# KiCad board 8851_HW-U1-VCU118_REV2-0_071417.kicad_pcb (continued)
## Routing (per net, layer and track width the routed paths; a pad name or vN(x,y) marks a point on that pad's centre or on a via; arc(x,y) is an arc through that point) (continued)
  05_SIG2 w0.258: 151.54,62.23 150.92,62.85 150.32,62.85 150.12,62.65 150.12,61.23 150.68,60.67 150.68,60.04 150.44,59.8 146.79,59.8 146.26,60.33 144.35,60.33 143.46,61.22 143.46,61.42 143.68,61.64 143.68,61.83 143.48,62.02 143.29,62.02 143.07,61.81 142.87,61.81 142.68,62 142.68,62.19 142.9,62.41 142.9,62.61 142.7,62.8 142.51,62.8 142.29,62.58 142.1,62.58 141.9,62.78 141.9,62.97 142.12,63.19 142.12,63.39 141.92,63.58 141.73,63.58 141.51,63.36 141.32,63.36 141.12,63.56 141.12,63.75 141.34,63.97 141.34,64.16 141.15,64.36 140.95,64.36 140.73,64.14 140.52,64.14 140.38,64.28
DDR4_C2_DQ17: length 44.9
  TOP w0.15: 131.63,71.2 v2(132.12,71.7) ; 156.65,63.44 v1(156.26,63.05)
  05_SIG2 w0.17: 151.54,64.54 151.93,64.15 151.93,63.67 152.16,63.44 154.88,63.44 155.08,63.25 155.08,62.83 155.25,62.65 155.31,62.65 155.31,62.65 155.86,62.65 v1(156.26,63.05) ; v2(132.12,71.7) 131.98,71.7 131.49,72.19 130.94,72.19 130.65,72.48 130.65,72.88 130.93,73.17 132.33,73.17 132.62,72.88 132.62,72.48 132.9,72.19 133.31,72.19 133.6,71.9 133.6,71.49 133.89,71.2 134.3,71.2 134.58,70.92 134.58,70.51 134.87,70.22 135.28,70.22 135.57,69.93 135.57,69.52 135.86,69.24 136.26,69.24 136.55,68.95 136.55,68.54 136.84,68.25 137.25,68.25 137.54,67.96 137.54,67.56 137.82,67.27 140.05,67.27 140.38,66.93
  05_SIG2 w0.258: 151.54,64.54 151.29,64.79 151.29,65.54 151.06,65.78 151.06,66.25 150.59,66.72 148.92,66.72 148.58,66.38 148.58,61.91 148.38,61.71 147.69,61.71 147.52,61.88 147.52,62.56 147.38,62.7 147.11,62.7 146.97,62.56 146.97,61.79 146.83,61.65 145.66,61.65 140.38,66.93
  vias: v1(157.05,59.9)
DDR4_C2_DQ18: length 44.3
  TOP w0.15: 158.23,60.29 v1(157.83,60.68) ; 129.66,74.16 v2(130.15,74.65)
  05_SIG2 w0.17: 158.45,66.13 159.01,65.57 159.01,61.87 v1(157.83,60.68) ; 140.38,71.2 137.82,71.2 137.54,71.49 137.54,71.9 137.25,72.19 136.84,72.19 136.55,72.48 136.55,72.88 136.26,73.17 135.86,73.17 135.57,73.46 135.57,73.87 135.28,74.16 134.87,74.16 134.58,74.44 134.58,74.85 134.3,75.14 133.89,75.14 133.6,75.43 133.6,75.84 133.31,76.12 132.9,76.12 132.62,76.41 132.62,76.82 132.33,77.11 130.93,77.11 130.65,76.82 130.65,76.41 130.36,76.12 129.95,76.12 129.66,75.84 129.66,75.14 v2(130.15,74.65)
  05_SIG2 w0.258: 158.45,66.13 155.26,69.32 142.44,69.32 140.55,71.2 140.38,71.2
DDR4_C2_DQ19: length 41.9
  TOP w0.15: 129.66,75.14 v2(130.15,75.63) ; 158.23,63.44 v1(157.83,63.05)
  05_SIG2 w0.17: 140.38,70.1 140.26,70.22 137.82,70.22 137.54,70.51 137.54,70.91 137.25,71.2 136.84,71.2 136.55,71.49 136.55,71.9 136.26,72.19 135.86,72.19 135.57,72.48 135.57,72.88 135.28,73.17 134.87,73.17 134.58,73.46 134.58,73.87 134.3,74.16 133.89,74.16 133.6,74.44 133.6,74.85 133.31,75.14 132.9,75.14 132.62,75.43 132.62,75.84 132.33,76.12 130.95,76.12 130.46,75.63 v2(130.15,75.63) ; v1(157.83,63.05) 158.23,63.44 158.23,65.57 157.67,66.13
  05_SIG2 w0.258: 157.67,66.13 156.91,66.89 156.72,66.89 156.11,66.28 155.91,66.28 155.72,66.47 155.72,66.66 156.33,67.28 156.33,67.47 156.13,67.66 155.94,67.66 155.33,67.05 155.13,67.05 154.94,67.25 154.94,67.44 155.55,68.05 155.55,68.25 155.11,68.69 141.79,68.69 140.38,70.1
DDR4_C2_DQ20: length 45.8
  TOP w0.15: 128.68,72.19 v2(129.17,72.68) ; 158.23,59.5 v1(157.83,59.11)
  05_SIG2 w0.17: 140.38,59.46 139.48,60.36 138.78,60.36 138.53,60.61 138.53,61.09 138.26,61.36 137.82,61.36 137.54,61.65 137.54,62.06 137.25,62.35 136.84,62.35 136.55,62.63 136.55,63.04 136.26,63.33 135.86,63.33 135.57,63.62 135.57,64.03 134.3,65.3 133.89,65.3 133.6,65.59 133.6,65.99 133.31,66.28 132.9,66.28 132.62,66.57 132.62,66.98 132.33,67.27 131.92,67.27 131.63,67.56 131.63,67.96 131.34,68.25 130.94,68.25 130.65,68.54 130.65,68.95 130.36,69.23 129.95,69.23 129.66,69.52 129.66,69.93 129.37,70.22 128.97,70.22 128.68,70.51 128.68,72.19 v2(129.17,72.68) ; v1(157.83,59.11) 158.23,58.72 158.23,57.88
  05_SIG2 w0.258: 158.23,57.88 158.23,57.48 155.18,54.43 152.13,54.43 151.22,53.53 146.81,53.53 140.88,59.46 140.38,59.46
DDR4_C2_DQ21: length 44.2
  TOP w0.15: 129.66,73.17 v2(130.15,73.66) ; 158.23,64.23 v1(157.83,64.62)
  05_SIG2 w0.17: 153.33,66.13 153.33,65.98 153.43,65.88 157.13,65.88 157.44,65.57 157.44,65.02 v1(157.83,64.62) ; 140.38,68.84 139.99,69.24 137.82,69.24 137.54,69.52 137.54,69.93 137.25,70.22 136.84,70.22 136.55,70.51 136.55,70.91 136.26,71.2 135.86,71.2 135.57,71.49 135.57,71.9 135.28,72.19 134.87,72.19 134.58,72.48 134.58,72.88 134.3,73.17 133.89,73.17 133.6,73.46 133.6,73.87 133.31,74.16 132.9,74.16 132.62,74.44 132.62,74.85 132.33,75.14 130.93,75.14 130.65,74.85 130.65,74.16 v2(130.15,73.66)
  05_SIG2 w0.258: 153.33,66.13 153.33,66.48 154.62,67.76 154.62,67.96 154.43,68.15 154.22,68.15 152.74,66.66 152.54,66.66 152.36,66.84 152.36,67.06 153.16,67.86 153.16,68.04 152.96,68.24 152.77,68.24 152.35,67.82 152.15,67.82 151.93,68.05 145.02,68.05 144.89,67.91 144.89,67.18 144.7,67 144.47,67 144.34,67.14 144.34,67.91 144.2,68.05 141.17,68.05 140.38,68.84
DDR4_C2_DQ22: length 45.3
  TOP w0.15: 159.01,60.29 v1(158.62,60.68) ; 129.66,72.19 v2(130.15,72.68)
  05_SIG2 w0.17: v2(130.15,72.68) 129.66,72.19 129.66,70.51 129.95,70.22 130.36,70.22 130.65,69.93 130.65,69.52 130.93,69.24 131.34,69.24 131.63,68.95 131.63,68.54 131.92,68.25 132.33,68.25 132.62,67.96 132.62,67.56 132.9,67.27 133.31,67.27 133.6,66.98 133.6,66.57 133.89,66.28 134.3,66.28 134.58,65.99 134.58,65.59 134.87,65.3 135.42,65.3 136.55,64.17 136.55,63.62 136.84,63.33 137.25,63.33 137.54,63.04 137.54,62.63 137.82,62.35 138.37,62.35 138.55,62.16 138.55,61.56 138.75,61.36 139.42,61.36 139.71,61.07 139.71,60.63 139.99,60.35 140.38,60.35 ; 157.44,57.88 157.44,59.27 157.67,59.5 158,59.5 158.23,59.73 158.23,60.29 v1(158.62,60.68)
  05_SIG2 w0.258: 157.44,57.88 157.44,57.59 155.2,55.35 150.94,55.35 150.23,54.64 146.6,54.64 140.89,60.35 140.38,60.35
DDR4_C2_DQ23: length 44.8
  TOP w0.15: 130.65,72.19 v2(131.14,72.68) ; 159.01,63.44 v1(158.62,63.05)
  05_SIG2 w0.17: v2(131.14,72.68) 131.43,72.68 131.92,72.19 132.33,72.19 132.62,71.9 132.62,71.49 132.9,71.2 133.31,71.2 133.6,70.91 133.6,70.51 133.89,70.22 134.3,70.22 134.58,69.93 134.58,69.52 134.87,69.24 135.28,69.24 135.57,68.95 135.57,68.54 135.86,68.25 136.26,68.25 136.55,67.96 136.55,67.55 136.84,67.27 137.25,67.27 137.54,66.98 137.54,66.57 137.82,66.28 140.12,66.28 140.38,66.02 ; v1(158.62,63.05) 158.62,62.28 158.49,62.14 158.21,62.14 158.12,62.23 158.12,62.5 158.04,62.58 157.86,62.58 157.77,62.49 157.77,62.23 157.68,62.14 157.51,62.14 157.42,62.23 157.42,62.57 157.34,62.65 157.17,62.65 157.07,62.55 157.07,62.23 156.98,62.14 156.81,62.14 156.72,62.23 156.72,62.35 156.62,62.45 156.45,62.45 156.28,62.28 155,62.28 154.64,62.64 152.16,62.64 151.54,63.26
  05_SIG2 w0.258: 151.54,63.26 151.31,63.48 151.31,63.81 150.66,64.47 150.66,64.78 150.5,64.93 150.15,64.93 150.02,65.06 150.02,65.58 149.91,65.68 149.4,65.68 149.26,65.54 149.26,60.76 148.97,60.47 147.19,60.47 146.65,61.01 145.39,61.01 140.38,66.02
DDR4_C2_DQ24: length 58.9
  TOP w0.15: 152.71,60.29 v1(152.32,60.68) ; 127.69,74.16 v2(128.19,74.65)
  03_SIG1 w0.17: v2(128.19,74.65) 128.4,74.65 128.89,75.14 130.36,75.14 130.65,75.43 130.65,75.84 130.94,76.12 139.35,76.12 139.5,75.97 139.5,75.77 139.61,75.66 139.87,75.66 139.96,75.75 139.96,76.17 139.66,76.47 139.66,76.78 139.95,77.07 139.95,77.79 140.14,77.97 140.38,77.97 ; v1(152.32,60.68) 152.32,61.23 152.08,61.48 152.08,61.78 152.16,61.86 152.29,61.86 152.64,61.51 152.78,61.51 152.89,61.63 152.89,61.75 152.76,61.89 152.76,62.01 152.88,62.14 153.05,62.14 153.21,61.97 153.34,61.97 153.5,62.14 153.5,63.3 153.36,63.44 152.86,63.44 152.71,63.59 152.71,64.1 152.59,64.23 151.68,64.23 151.58,64.33 151.58,64.94 151.54,64.98
  03_SIG1 w0.258: 140.38,77.97 142.28,77.97 142.47,77.78 143.03,77.78 143.21,77.96 144.17,77.96 144.31,77.82 144.31,77.54 144.46,77.39 144.72,77.39 144.86,77.53 144.86,77.88 145.17,78.19 145.17,78.61 145.3,78.75 145.57,78.75 145.71,78.61 145.71,77.92 145.86,77.77 146.15,77.77 146.27,77.89 146.27,78.52 146.42,78.67 146.62,78.67 147.18,78.12 147.18,73.53 147.46,73.25 147.46,72.93 147.14,72.61 146.74,72.61 146.4,72.95 146.23,72.95 145.75,72.47 145.75,72.18 145.93,72 146.94,72 147.12,71.82 147.12,71.57 146.94,71.39 146.06,71.39 145.88,71.22 145.88,70.96 146.06,70.79 146.94,70.79 147.12,70.61 147.12,70.36 146.94,70.18 146.08,70.18 145.88,69.98 145.88,69.29 146.05,69.12 146.86,69.12 147.25,69.52 147.63,69.52 148.03,69.12 148.45,69.12 150.32,67.25 150.88,67.25 151.05,67.08 151.05,66.53 151.3,66.28 151.3,65.23 151.54,64.98
DDR4_C2_DQ25: length 57.8
  TOP w0.15: 128.68,75.14 v2(129.17,75.63) ; 153.5,64.23 v1(153.11,64.62)
  03_SIG1 w0.17: 152.87,66.13 152.81,66.07 152.07,66.07 151.88,65.87 151.88,65.2 152.06,65.02 152.93,65.02 153.11,64.83 v1(153.11,64.62) ; v2(129.17,75.63) 129.38,75.63 129.87,76.12 130.36,76.12 130.65,76.41 130.65,76.82 130.93,77.11 139.28,77.11 139.51,77.34 139.51,78.75 140.16,79.4 140.38,79.4
  03_SIG1 w0.258: 152.87,66.13 152.94,66.21 152.94,67.17 153.08,67.31 153.74,67.31 153.88,67.44 153.88,67.72 153.74,67.86 153.08,67.86 152.94,67.99 152.94,68.27 153.08,68.41 153.74,68.41 153.88,68.54 153.88,68.72 153.64,68.96 153.08,68.96 152.94,69.09 152.94,69.43 152.79,69.57 152.47,69.57 152.28,69.37 152.28,66.96 152.08,66.76 151.8,66.76 151.66,66.9 151.66,68.51 151.51,68.66 151.25,68.66 151.11,68.52 151.11,68.06 150.98,67.92 150.7,67.92 150.56,68.06 150.56,68.51 150.41,68.66 149.9,68.66 148.67,69.89 148.16,69.89 147.76,70.29 147.76,72.26 148.3,72.8 148.3,73.4 147.93,73.77 147.93,74.16 148.3,74.52 148.3,74.91 147.81,75.4 147.81,78.39 147.76,78.44 147.76,78.47 146.83,79.4 144.59,79.4 144.45,79.26 144.45,78.75 144.32,78.62 144.04,78.62 143.9,78.75 143.9,79.26 143.77,79.4 143.49,79.4 143.35,79.26 143.35,78.75 143.22,78.62 142.94,78.62 142.8,78.75 142.8,79.26 142.67,79.4 142.39,79.4 142.25,79.26 142.25,78.75 142.12,78.62 141.84,78.62 141.7,78.75 141.7,79.26 141.57,79.4 141.29,79.4 141.15,79.26 141.15,78.75 141.02,78.62 140.74,78.62 140.6,78.75 140.6,79.26 140.47,79.4 140.38,79.4
DDR4_C2_DQ26: length 62.5
  TOP w0.15: 154.29,60.29 v1(153.9,60.68) ; v2(129.17,70.71) 128.68,70.22
  03_SIG1 w0.17: 140.38,73.44 139.69,73.44 139.43,73.17 130.76,73.17 130.65,73.06 130.65,72.31 130.53,72.19 129.87,72.19 129.66,71.98 129.66,71.46 129.17,70.97 v2(129.17,70.71) ; v1(153.9,60.68) 153.59,60.68 153.5,60.6 153.5,58.33 153.5,58.33 153.5,57.97 153.59,57.88
  03_SIG1 w0.258: 140.38,73.44 140.71,73.44 140.88,73.28 140.88,71.45 143.35,68.97 143.35,66.21 143.69,65.87 144.13,65.87 144.27,66.01 144.27,66.46 144.48,66.67 147.15,66.67 148.47,65.35 148.47,62.73 150.42,60.78 150.42,60.65 150.43,60.64 150.43,56.83 150.71,56.55 151.77,56.55 151.92,56.41 151.92,56.07 151.71,55.86 150.71,55.86 150.57,55.72 150.57,55.36 150.83,55.1 152.43,55.1 152.6,54.92 155.85,54.92 156.1,54.67 156.1,53.76 156.36,53.5 157.22,53.5 157.82,54.1 157.82,57.53 157.68,57.67 153.8,57.67 153.59,57.88
DDR4_C2_DQ27: length 61.5
  TOP w0.15: 154.29,63.44 v1(153.9,63.05) ; 128.68,71.2 v2(129.17,71.7)
  03_SIG1 w0.17: 152.71,57.88 152.71,60.85 153.9,62.03 v1(153.9,63.05) ; 140.38,74.16 130.94,74.16 130.65,73.87 130.65,73.46 130.36,73.17 129.86,73.17 129.66,72.97 129.66,72.48 129.17,71.98 v2(129.17,71.7)
  03_SIG1 w0.258: 140.38,74.16 141.04,74.16 141.53,73.67 141.53,71.7 142.27,70.95 143.43,70.95 144.1,70.28 144.1,67.64 144.39,67.35 147.65,67.35 149.3,65.7 149.3,64.21 149.61,63.9 149.98,63.9 150.16,63.72 150.16,63.34 150,63.17 149.84,63.17 149.58,62.91 149.58,62.55 150.43,61.7 150.9,61.7 150.97,61.76 151.33,61.76 151.58,61.51 151.58,60.8 151.74,60.64 151.74,57.74 153.05,56.43 153.05,55.66 153.31,55.4 155.48,55.4 155.75,55.66 155.75,56.34 155.94,56.52 156.3,56.52 156.48,56.34 156.48,55.72 156.66,55.54 157.07,55.54 157.36,55.83 157.36,56.94 157.12,57.18 155.08,57.18 154.88,56.98 154.88,56.58 154.67,56.37 154.27,56.37 154.14,56.5 154.14,56.97 153.92,57.18 153.34,57.18 152.71,57.81 152.71,57.88
DDR4_C2_DQ28: length 60.7
  TOP w0.15: v2(127.2,71.7) 126.71,71.2 ; 154.29,59.5 v1(153.9,59.11)
  03_SIG1 w0.17: v2(127.2,71.7) 127.69,71.2 128.39,71.2 128.68,70.92 128.68,70.51 128.97,70.22 129.37,70.22 129.66,70.51 129.66,70.92 129.95,71.2 130.36,71.2 130.65,71.49 130.65,71.9 130.93,72.19 140.06,72.19 140.28,71.97 140.28,71.12 140.38,71.02 ; 158.42,57.88 158.23,58.08 158.23,58.49 158,58.72 154.29,58.72 v1(153.9,59.11)
  03_SIG1 w0.258: 158.42,57.88 158.67,57.63 158.67,54.02 157.57,52.92 155.95,52.92 155.25,53.62 154.73,53.62 154.5,53.85 154.5,54.1 154.28,54.33 153.96,54.33 153.73,54.1 153.73,53.85 153.5,53.62 153.18,53.62 152.96,53.85 152.96,54.1 152.73,54.33 152.41,54.33 152.18,54.1 152.18,53.85 151.96,53.62 150.35,53.62 149.8,54.17 149.8,60.38 147.81,62.38 145.15,62.38 142.68,64.85 142.68,68.72 140.38,71.02
DDR4_C2_DQ29: length 62.3
  TOP w0.15: 127.69,71.2 v2(128.19,71.7) ; 154.29,64.23 v1(153.9,64.62)
  03_SIG1 w0.17: 140.38,81.14 139.3,80.06 138.81,80.06 138.52,79.77 138.52,79.37 138.23,79.08 130.88,79.08 130.65,78.85 130.65,78.38 130.36,78.09 129.95,78.09 129.66,77.8 129.66,77.4 129.37,77.11 128.97,77.11 128.68,76.82 128.68,76.41 128.39,76.12 127.98,76.12 127.69,75.84 127.69,75.43 127.41,75.14 127,75.14 126.71,74.85 126.71,72.48 127,72.19 127.69,72.19 v2(128.19,71.7) ; v1(153.9,64.62) 154.29,65.02 154.29,66.13
  03_SIG1 w0.258: 140.38,81.14 140.93,81.69 141.3,81.69 141.43,81.55 141.43,80.85 141.57,80.71 141.85,80.71 141.98,80.85 141.98,81.55 142.12,81.69 142.4,81.69 142.53,81.55 142.53,80.85 142.67,80.71 142.95,80.71 143.08,80.85 143.08,81.55 143.22,81.69 143.5,81.69 143.63,81.55 143.63,80.85 143.77,80.71 144.05,80.71 144.18,80.85 144.18,81.55 144.32,81.69 144.6,81.69 144.73,81.55 144.73,80.85 144.87,80.71 145.15,80.71 145.28,80.85 145.28,81.55 145.42,81.69 145.7,81.69 145.83,81.55 145.83,80.85 145.97,80.71 146.25,80.71 146.38,80.85 146.38,81.55 146.52,81.69 146.91,81.69 148.29,80.31 149.37,80.31 149.56,80.11 149.56,70.91 150.5,69.98 150.98,69.98 151.61,70.6 153.32,70.6 155.4,68.53 155.4,67.24 154.29,66.13
DDR4_C2_DQ30: length 62.3
  TOP w0.15: 155.08,60.29 v1(154.68,60.68) ; v2(126.22,71.7) 125.73,71.2
  03_SIG1 w0.17: v1(154.68,60.68) 154.68,61.14 155.86,62.32 155.86,65.58 156.42,66.13 ; 140.38,83.01 140.26,83.01 139.28,82.03 138.81,82.03 138.52,81.74 138.52,81.33 138.23,81.05 129.95,81.05 129.66,80.76 129.66,80.35 129.37,80.06 128.97,80.06 128.68,79.77 128.68,78.38 128.39,78.09 127.98,78.09 127.69,77.8 127.69,77.4 127.41,77.11 126.95,77.11 126.71,76.87 126.71,76.41 126.42,76.12 126.01,76.12 125.73,75.84 125.73,75.43 125.44,75.14 125.03,75.14 124.74,74.85 124.74,72.48 125.03,72.19 125.73,72.19 v2(126.22,71.7)
  03_SIG1 w0.258: 156.42,66.13 156.53,66.24 156.53,68.7 153.62,71.6 152.2,71.6 151.8,72 151.8,80.52 150.8,81.52 150.53,81.52 149.23,82.83 148.06,82.83 147.87,83.01 140.38,83.01
DDR4_C2_DQ31: length 60.1
  TOP w0.15: 155.08,63.44 v1(154.68,63.05) ; v2(126.22,72.68) 125.73,72.19
  03_SIG1 w0.17: 140.38,82.25 139.82,81.69 139.82,81.22 139.65,81.05 138.81,81.05 138.52,80.76 138.52,80.35 138.23,80.06 129.83,80.06 129.66,79.89 129.66,78.23 129.53,78.09 128.9,78.09 128.68,77.88 128.68,77.27 128.52,77.11 127.83,77.11 127.69,76.97 127.69,76.24 127.58,76.12 126.88,76.12 126.71,75.95 126.71,75.23 126.62,75.14 125.89,75.14 125.73,74.97 125.73,72.77 125.81,72.68 v2(126.22,72.68) ; v1(154.68,63.05) 154.97,63.05 155.08,63.15 155.08,66.13 155.08,66.13
  03_SIG1 w0.258: 155.08,66.13 156.05,67.1 156.05,68.53 153.47,71.11 151.71,71.11 151.57,71.25 150.55,71.25 150.2,71.6 150.2,72.27 150.47,72.55 150.85,72.55 151.3,73 151.3,73.53 150.93,73.9 150.5,73.9 150.2,74.2 150.2,80.83 150.02,81 149.8,81 149.65,81.15 149.65,81.5 149.3,81.86 149.03,81.86 148.9,81.72 148.9,81.2 148.76,81.06 148.44,81.06 147.62,81.88 147.62,82.14 147.42,82.34 140.47,82.34 140.38,82.25
DDR4_C2_DQ32: length 44.3
  TOP w0.15: 157.44,73.38 v1(157.05,72.99) ; v2(138.03,75.63) 137.54,75.14
  07_SIG3 w0.17: v2(138.03,75.63) 138.59,75.07 139.77,75.07 ; v1(157.05,72.99) 157.05,72.75 157.21,72.59 157.21,72.59 157.44,72.36 157.44,72.04 157.44,72.03 157.67,71.8 158,71.8 158.23,72.04 158.23,72.37 158.45,72.59 158.81,72.59 159.19,72.21 159.19,71.76
  07_SIG3 w0.258: 139.77,75.07 140.36,74.49 140.69,74.49 140.69,74.48 143.87,74.48 143.91,74.44 143.92,74.44 144.02,74.34 144.02,74.34 147.45,70.91 147.45,70.68 151.81,66.33 152.8,66.33 152.93,66.47 152.93,67 153.07,67.14 153.35,67.14 153.48,67 153.48,66.47 153.62,66.33 153.9,66.33 154.03,66.47 154.03,67 154.17,67.14 154.45,67.14 154.58,67 154.58,66.47 154.72,66.33 155,66.33 155.13,66.47 155.13,67 155.27,67.14 155.55,67.14 155.68,67 155.68,66.47 155.82,66.33 156.1,66.33 156.23,66.47 156.23,67 156.37,67.14 156.65,67.14 156.78,67 156.78,66.47 156.92,66.33 157.2,66.33 157.33,66.47 157.33,67 157.47,67.14 157.75,67.14 157.88,67 157.88,66.47 158.02,66.33 158.3,66.33 158.43,66.47 158.43,67 158.57,67.14 158.85,67.14 158.98,67 158.98,66.59 159.15,66.43 159.66,66.43 159.89,66.66 159.89,70.36 159.56,70.68 159.56,71.39 159.19,71.76
DDR4_C2_DQ33: length 42.5
  TOP w0.15: v2(139.01,75.63) 138.52,75.14 ; 156.65,77.32 v1(156.26,76.92)
  07_SIG3 w0.17: v2(139.01,75.63) 139.06,75.68 139.47,75.68 ; 156.65,71.76 156.65,73.94 156.65,73.94 156.65,73.97 156.84,74.17 157.21,74.17 157.44,74.39 157.44,74.4 157.44,74.4 157.44,74.76 156.97,75.23 156.97,75.31 156.26,76.02 v1(156.26,76.92)
  07_SIG3 w0.258: 156.65,71.76 157.23,71.18 158.26,71.18 159.24,70.2 159.24,69.79 158.88,69.42 158.88,69.12 159.24,68.75 159.24,68.47 159.06,68.28 158.32,68.28 158.18,68.15 158.18,67.78 158.04,67.64 157.77,67.64 157.63,67.78 157.63,68.15 157.49,68.28 157.22,68.28 157.08,68.15 157.08,67.78 156.94,67.64 156.67,67.64 156.53,67.78 156.53,68.15 156.39,68.28 156.12,68.28 155.98,68.15 155.98,67.78 155.84,67.64 155.57,67.64 155.43,67.78 155.43,68.15 155.29,68.28 155.02,68.28 154.88,68.15 154.88,67.78 154.74,67.64 154.47,67.64 154.33,67.78 154.33,68.15 154.19,68.28 153.92,68.28 153.78,68.15 153.78,67.78 153.64,67.64 153.37,67.64 153.23,67.78 153.23,68.15 153.09,68.28 152.82,68.28 152.68,68.15 152.68,67.65 152.54,67.51 152.27,67.51 152.13,67.65 152.13,67.99 151.96,68.16 150.91,68.16 148.93,70.14 148.93,70.82 148.48,71.27 147.99,71.27 144.17,75.1 144.12,75.1 144.11,75.12 140.75,75.12 140.19,75.68 139.47,75.68
  vias: v1(157.05,73.77)
DDR4_C2_DQ34: length 43.4
  TOP w0.15: v2(136.06,76.62) 135.57,76.12 ; 158.23,74.17 v1(157.83,74.56)
  07_SIG3 w0.087: 159.32,79.95 159.32,80.01
  07_SIG3 w0.17: 159.32,79.95 159.8,79.47 159.8,74.1 159.08,73.38 158.46,73.38 158.23,73.15 158.23,72.83 157.99,72.59 157.67,72.59 157.44,72.82 157.44,73.93 157.83,74.33 v1(157.83,74.56) ; 139.47,82.03 138.81,82.03 138.52,81.74 138.52,81.33 138.23,81.05 137.82,81.05 137.54,80.76 137.54,80.35 137.25,80.06 136.84,80.06 136.55,79.77 136.55,79.37 136.26,79.08 135.86,79.08 135.57,78.79 135.57,77.31 136.06,76.81 v2(136.06,76.62)
  07_SIG3 w0.258: 139.47,82.03 140.17,82.03 142.19,84.05 155.63,84.05 159.32,80.36 159.32,80.01
DDR4_C2_DQ35: length 42.6
  TOP w0.15: 158.23,77.32 v1(157.83,76.92) ; v2(136.06,77.6) 135.57,77.11
  07_SIG3 w0.17: v2(136.06,77.6) 136.06,77.28 136.23,77.11 137.25,77.11 137.54,77.4 137.54,78.79 137.82,79.08 138.23,79.08 138.52,79.37 138.52,79.77 138.81,80.06 139.24,80.06 139.47,80.3 ; 158.23,80.01 158.23,77 158.15,76.92 v1(157.83,76.92)
  07_SIG3 w0.258: 139.47,80.3 139.73,80.55 140.49,80.55 142.71,82.77 147.33,82.77 147.68,82.41 147.68,81.45 147.83,81.31 148.64,81.31 148.97,81.65 148.97,82.09 149.16,82.27 149.88,82.27 150.05,82.1 150.05,81.89 149.93,81.77 149.65,81.77 149.5,81.62 149.5,81.35 149.62,81.23 150.25,81.23 150.59,81.57 150.93,81.57 151.33,81.18 151.45,81.18 151.82,81.54 151.82,81.7 151.41,82.11 151.41,82.39 151.58,82.56 152.16,82.56 152.35,82.38 152.35,82.06 152.45,81.95 152.8,81.95 152.9,82.05 152.9,82.17 153.03,82.31 153.31,82.31 153.45,82.17 153.45,82.04 153.54,81.94 153.91,81.94 153.98,82.02 153.98,82.17 154.12,82.31 154.39,82.31 154.48,82.22 154.48,81.51 154.64,81.34 155.48,81.34 155.58,81.45 155.58,81.75 155.45,81.89 155.06,81.89 154.97,81.97 154.97,82.68 155.17,82.88 155.46,82.88 157.33,81.01 157.33,80.82 157.17,80.66 157.17,80.46 157.36,80.27 157.56,80.27 157.72,80.43 157.91,80.43 158.23,80.12 158.23,80.01
DDR4_C2_DQ36: length 40.4
  TOP w0.15: 158.23,73.38 v1(157.83,72.99) ; v2(137.04,77.6) 136.55,77.11
  07_SIG3 w0.17: v1(157.83,72.99) 157.83,73.21 157.9,73.28 157.9,73.28 158.23,73.61 158.23,73.94 158.46,74.17 158.78,74.17 159.01,74.4 159.01,79.53 158.71,79.83 158.71,80.01 ; 139.47,81.27 139.25,81.05 138.81,81.05 138.52,80.76 138.52,80.35 138.23,80.06 137.82,80.06 137.54,79.77 137.54,79.37 137.25,79.08 136.84,79.08 136.55,78.79 136.55,78.09 v2(137.04,77.6)
  07_SIG3 w0.258: 158.71,80.01 158.71,80.3 155.44,83.58 154.56,83.58 154.42,83.44 154.42,82.92 154.28,82.78 154.01,82.78 153.87,82.92 153.87,83.44 153.73,83.58 153.46,83.58 153.32,83.44 153.32,82.92 153.18,82.78 152.91,82.78 152.77,82.92 152.77,83.44 152.63,83.58 152.31,83.58 152.16,83.44 152.16,83.1 152.06,82.99 151.86,82.99 151.73,83.12 151.73,83.27 151.62,83.38 151.35,83.38 151.25,83.28 151.25,83.12 151.04,82.91 148.11,82.91 147.61,83.41 142.44,83.41 141.01,81.98 140.31,81.27 139.47,81.27
DDR4_C2_DQ37: length 40.2
  TOP w0.15: 158.23,78.1 v1(157.83,78.5) ; v2(138.03,78.59) 137.54,78.09
  07_SIG3 w0.17: v2(138.03,78.59) 138.26,78.82 138.34,78.82 138.6,79.08 139.17,79.08 139.47,79.38 139.47,79.47 ; v1(157.83,78.5) 157.59,78.5 157.44,78.64 157.44,79.64
  07_SIG3 w0.258: 139.47,79.47 139.66,79.66 140.53,79.66 140.74,79.87 141.08,79.87 141.21,80 141.21,80.33 142.95,82.07 143.28,82.07 143.35,81.99 143.35,81.59 143.49,81.45 143.76,81.45 143.9,81.59 143.9,81.99 144.04,82.13 144.31,82.13 144.45,81.99 144.45,81.59 144.59,81.45 144.86,81.45 145,81.59 145,81.99 145.14,82.13 145.41,82.13 145.55,81.99 145.55,81.55 145.68,81.42 145.95,81.42 146.1,81.57 146.1,81.99 146.24,82.13 146.9,82.13 147.05,81.98 147.05,81.17 148.09,80.12 148.47,80.12 148.67,80.33 148.67,80.56 148.79,80.69 149.07,80.69 149.22,80.54 149.22,80.18 149.36,80.04 149.58,80.04 149.72,80.18 149.72,80.45 149.87,80.6 150.14,80.6 150.26,80.49 150.26,80.19 150.34,80.11 151,80.11 151.32,79.79 151.32,79.51 151.43,79.4 151.72,79.4 151.86,79.54 151.86,79.95 151.57,80.25 151.57,80.62 151.83,80.88 152.11,80.88 152.25,80.75 152.25,80.18 152.38,80.04 152.66,80.04 152.8,80.18 152.8,80.75 152.93,80.88 153.21,80.88 153.35,80.75 153.35,79.9 153.48,79.76 153.76,79.76 153.9,79.9 153.9,80.75 154.03,80.88 154.31,80.88 154.44,80.75 154.44,79.86 154.56,79.75 154.85,79.75 154.99,79.89 154.99,80.74 155.13,80.88 155.43,80.88 155.63,80.69 155.63,79.81 155.73,79.71 156.02,79.71 156.13,79.82 156.13,80.72 156.27,80.86 156.47,80.86 156.59,80.73 156.59,79.95 156.72,79.82 157.26,79.82 157.44,79.64
DDR4_C2_DQ38: length 41
  TOP w0.15: 159.01,74.17 v1(158.62,74.56) ; v2(139.01,77.6) 138.52,77.11
  07_SIG3 w0.17: 151.54,76.47 151.7,76.47 151.82,76.36 151.82,75.77 151.91,75.69 152.08,75.69 152.17,75.77 152.17,76.42 152.26,76.5 152.43,76.5 152.52,76.42 152.52,75.77 152.61,75.69 152.78,75.69 152.87,75.77 152.87,76.42 152.96,76.5 153.13,76.5 153.22,76.42 153.22,75.77 153.31,75.69 153.48,75.69 153.57,75.77 153.57,76.42 153.66,76.5 153.83,76.5 153.92,76.42 153.92,75.77 154.01,75.69 154.18,75.69 154.27,75.77 154.27,76.42 154.36,76.5 154.53,76.5 154.62,76.42 154.62,75.77 154.71,75.69 154.88,75.69 154.97,75.77 154.97,76.42 155.06,76.5 155.31,76.5 155.44,76.37 155.44,75.81 155.52,75.73 155.78,75.73 155.86,75.81 155.86,77.09 156.09,77.32 156.43,77.32 156.65,77.1 156.65,76.08 156.86,75.88 157.01,75.88 157.29,76.15 158.51,76.15 158.66,76 158.66,75.78 158.53,75.65 157.4,75.65 157.29,75.54 157.29,75.37 157.48,75.18 158.53,75.18 158.62,75.09 v1(158.62,74.56) ; v2(139.01,77.6) 139.58,77.6 139.75,77.44
  07_SIG3 w0.258: 139.75,77.44 141.4,77.44 141.93,76.91 144.92,76.91 147.87,73.96 148.58,73.96 148.83,73.71 149.32,73.71 149.5,73.52 149.5,73.04 149.77,72.77 150.05,72.77 150.18,72.9 150.18,76.23 150.42,76.47 151.54,76.47
DDR4_C2_DQ39: length 40.6
  TOP w0.15: v2(139.01,78.59) 138.52,78.09 ; 159.01,77.32 v1(158.62,76.92)
  07_SIG3 w0.17: v2(139.01,78.59) 139.22,78.79 139.47,78.79 ; 151.54,78.4 151.83,78.1 157.21,78.1 157.44,77.87 157.44,76.75 157.66,76.53 158.23,76.53 v1(158.62,76.92)
  07_SIG3 w0.258: 151.54,78.4 151.03,78.91 150.46,78.91 150.18,78.62 149.72,78.62 149.57,78.78 149.57,79.25 149.43,79.39 149.15,79.39 148.95,79.19 148.95,77.82 148.78,77.65 148.2,77.65 147.91,77.94 147.46,77.94 147.33,78.07 147.33,78.57 147.81,79.05 147.81,79.49 147.42,79.88 147.22,79.88 147.1,79.76 147.1,79.44 146.99,79.33 146.71,79.33 146.61,79.42 146.61,80.53 146.42,80.73 146.17,80.73 146.04,80.6 146.04,79.48 145.88,79.32 145.63,79.32 145.51,79.43 145.51,80.71 145.38,80.85 145.1,80.85 144.96,80.71 144.96,79.47 144.83,79.34 144.56,79.34 144.41,79.48 144.41,80.71 144.28,80.85 144,80.85 143.86,80.71 143.86,79.47 143.72,79.32 143.45,79.32 143.31,79.46 143.31,80.71 143.18,80.85 142.9,80.85 142.76,80.71 142.76,80.34 142.63,80.21 141.99,80.21 141.85,80.07 141.85,79.79 141.99,79.66 142.63,79.66 142.76,79.52 142.76,79.37 142.19,78.79 141.92,78.79 141.48,79.24 141.01,79.24 140.56,78.79 139.47,78.79
